# Allegro board Chronos.brd (continued)
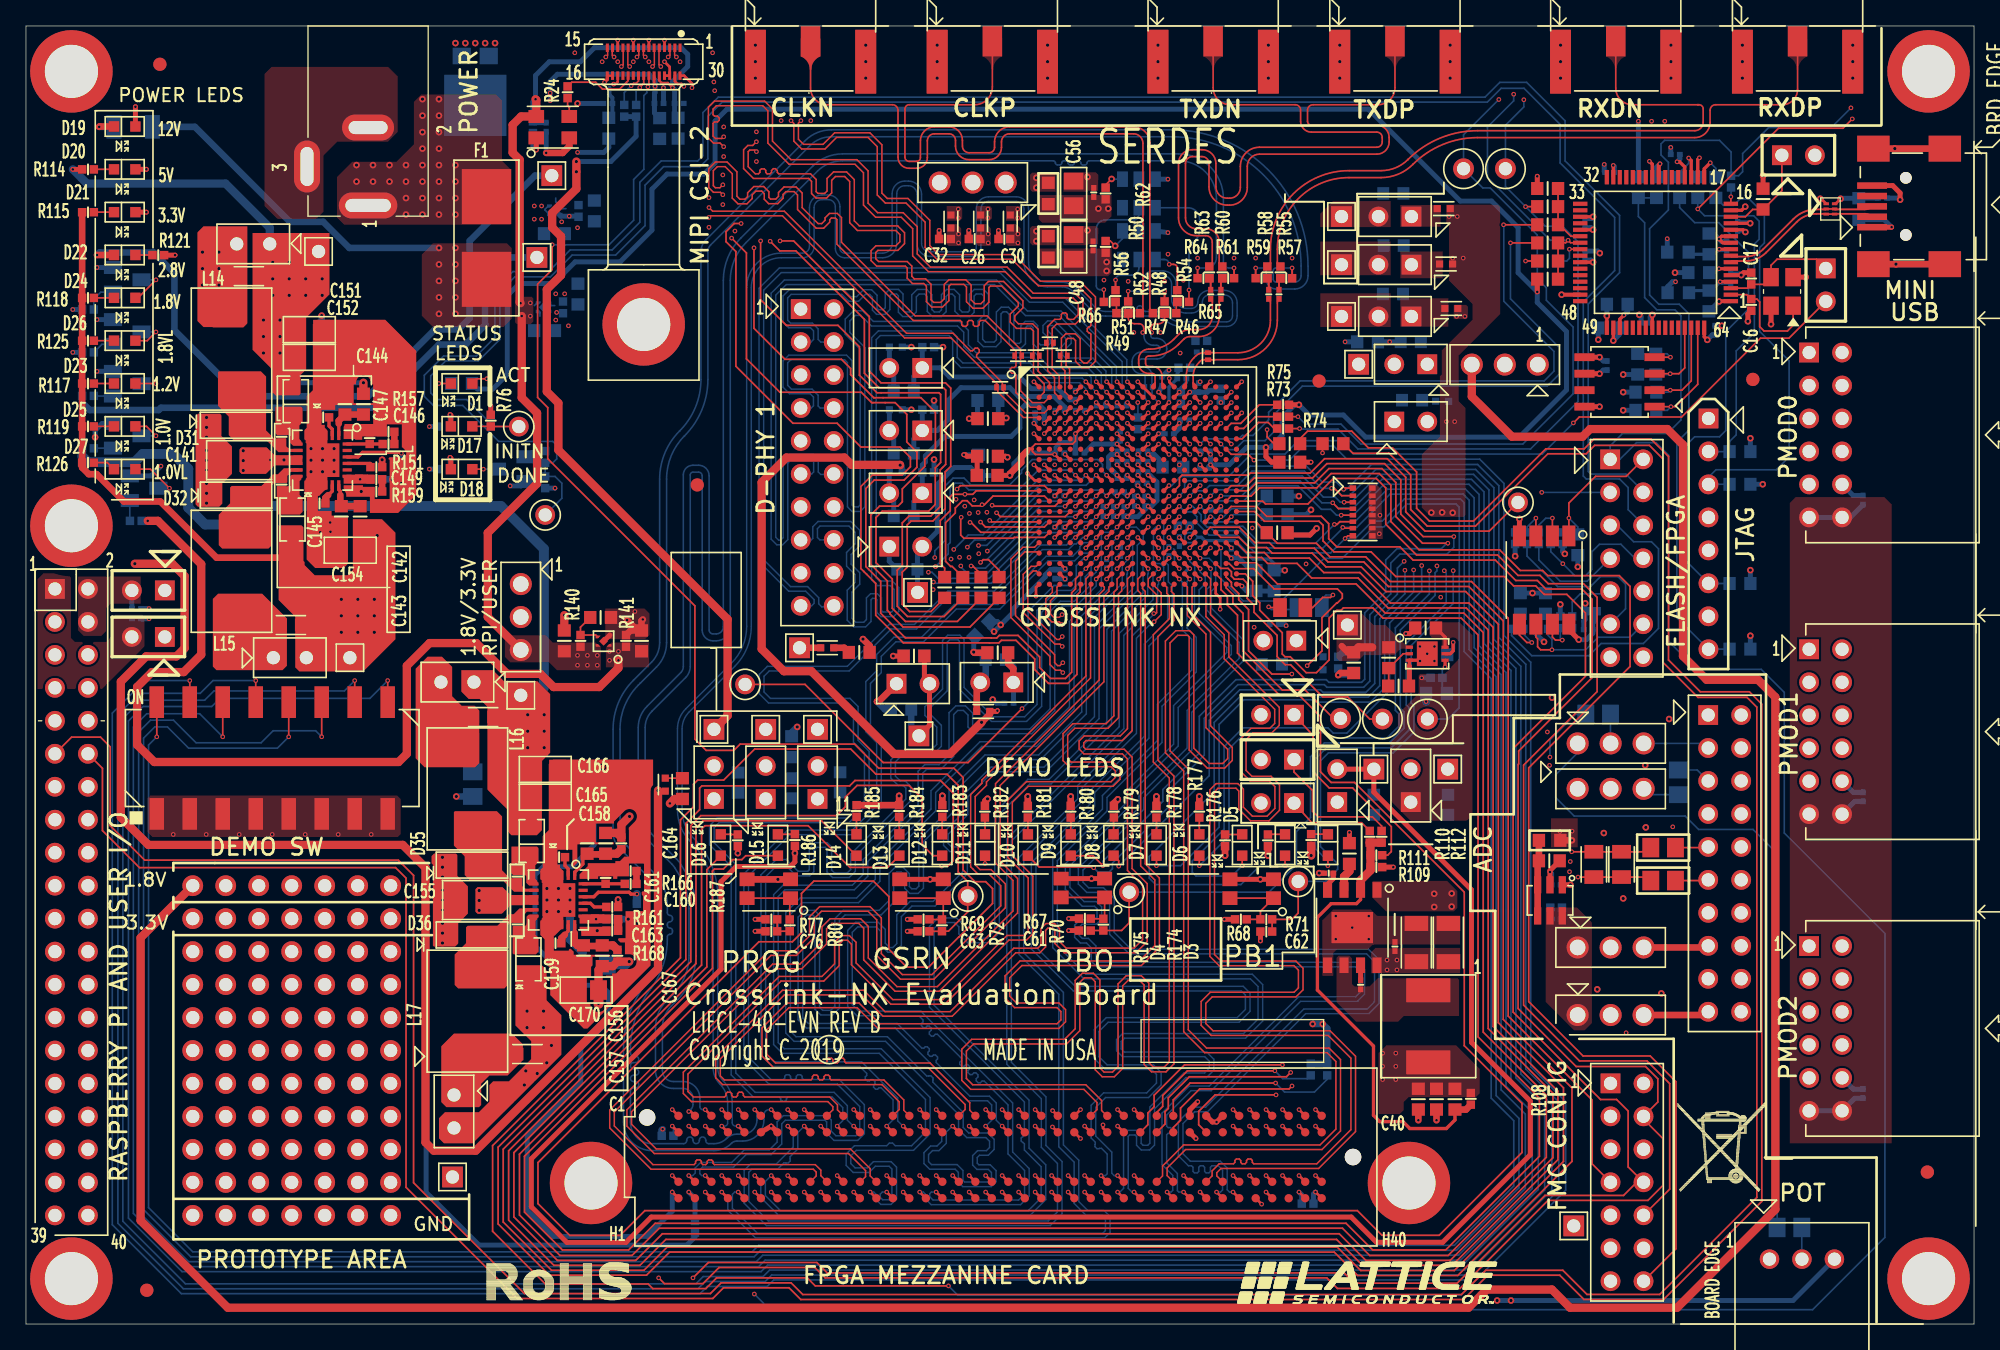
[diagram p0: board, top side]
## Routing (per net, layer and track width the routed paths; a pad name or vN(x,y) marks a point on that pad's centre or on a via; arc(x,y) is an arc through that point) (continued)
  BOTTOM w0.127: v1(106.85,58.09) 106.85,56.4 104.62,54.16 104.62,49.01 103.52,47.91 99.2,47.91 99.02,48.09 93.77,48.09 91.87,46.19 91.87,38.27 88.91,35.31 v1(87.05,35.31)
LED5: length 60.1
  TOP w0.127: D8.1 84.14,35.69 v1(84.14,35.28)
  TOP w0.203: U3.L15 v1(89.61,64.59)
  L04_SIG w0.127: v1(106.12,58.76) 106.05,58.83 106.05,58.86 104.79,60.12 104.79,61.17 104.49,61.47 102.49,61.47 101.97,60.95 100.52,60.95 99.65,61.82 98.19,61.82 96.21,63.8 95.67,63.8 95.32,64.16 93.7,64.16 93.66,64.2 90,64.2 v1(89.61,64.59)
  BOTTOM w0.127: v1(106.12,58.76) 105.6,58.24 105.6,56.22 103.86,54.48 103.86,49.35 103.18,48.67 99.86,48.67 99.67,48.86 93.46,48.86 91.11,46.51 91.11,42.24 v1(84.14,35.28)
LED6: length 67.5
  TOP w0.127: v1(82.92,35.32) 82.16,36.08 D9.1 ; v1(109.48,60.15) 107.53,60.15 105.48,62.21 105.48,64.83 104.41,65.9 100.33,65.9 99.23,64.8 94.73,64.8 94.13,64.19 U3.L20
  BOTTOM w0.127: v1(82.92,35.32) 82.92,35.65 87.54,40.27 87.54,41.18 90.35,43.98 90.35,46.82 93.16,49.64 100.12,49.64 100.33,49.44 102.85,49.44 103.08,49.67 103.08,54.79 104.7,56.4 104.7,58.86 105.57,59.73 108.98,59.73 109.41,60.15 v1(109.48,60.15)
LED7: length 74
  TOP w0.127: v1(82.21,35.15) 82.16,35.21 78.02,35.21 D10.1 ; U3.L19 92.8,64.58 93.98,64.58 94.57,65.18 99.07,65.18 100.17,66.28 104.61,66.28 105.86,65.03 105.86,62.39 107.59,60.66 v1(109.94,60.66)
  BOTTOM w0.127: v1(82.21,35.15) 82.54,34.82 83.4,34.82 83.66,35.08 83.66,35.5 84.11,35.96 84.11,35.96 87.94,39.79 87.94,41.04 90.73,43.83 90.73,46.67 93.32,49.26 99.97,49.26 100.17,49.05 103,49.05 103.47,49.53 103.47,54.64 105.09,56.25 105.09,58.62 105.78,59.32 109.42,59.32 109.94,59.84 v1(109.94,60.66)
LED8: length 229.8
  TOP w0.127: v1(70.51,35.28) 70.98,35.28 71.4,35.7 71.4,40.89 70.41,41.87 63.84,41.87 63.42,41.46 52.04,41.46 51.87,41.29 51.87,39.62 50.81,38.56 50.81,28.08 36.36,13.63 36.36,7.71 40.31,3.76 47.78,3.76 49.56,5.54 100.74,5.54 102.54,3.74 110.25,3.74 119.04,12.53 119.04,18.18 113.75,23.47 113.75,54.17 111.1,56.82 104.91,56.82 103.01,58.71 100.26,58.71 99.2,59.77 96.16,59.77 95.73,60.2 94.61,60.2 93.43,61.38 91.2,61.38 U3.R17 ; D11.1 v1(73.85,35.47)
  L04_SIG w0.127: v1(70.51,35.28) 73.65,35.28 v1(73.85,35.47)
LED9: length 218.2
  TOP w0.127: D12.1 69.85,36.08 69.01,36.92 69.01,40.48 68,41.49 63.99,41.49 63.1,40.59 63.1,39.85 62.41,39.17 51.96,39.17 51.19,38.39 51.19,27.91 36.75,13.47 36.75,7.86 40.46,4.14 47.58,4.14 49.36,5.92 100.98,5.92 102.78,4.12 109.98,4.12 118.39,12.53 118.39,18.2 113.37,23.22 113.37,53.92 110.86,56.43 104.72,56.43 102.82,58.33 100.1,58.33 99.04,59.39 95.96,59.39 95.53,59.82 94.19,59.82 93.41,60.6 92,60.6 U3.R18
LED10: length 203.8
  TOP w0.127: U3.U20 93.55,59.05 95.15,59.05 95.61,58.6 97.87,58.6 99,57.47 102.57,57.47 104.88,55.16 110.9,55.16 112.59,53.47 112.59,22.77 117.58,17.78 117.58,12.81 109.66,4.9 103.17,4.9 101.12,6.96 49,6.96 46.95,4.91 40.92,4.91 37.57,8.25 37.57,13.2 52.02,27.65 52.02,38.13 52.28,38.39 60.23,38.39 63.44,35.18 66.35,35.18 D13.1
LED11: length 202.7
  TOP w0.127: D14.1 61.26,38.77 52.12,38.77 51.59,38.24 51.59,27.77 37.17,13.35 37.17,8 40.64,4.52 47.28,4.52 49.27,6.52 100.92,6.52 102.92,4.52 109.82,4.52 117.96,12.66 117.96,17.94 112.97,22.93 112.97,53.68 111.11,55.54 105.06,55.54 102.71,57.89 99.93,57.89 98.82,59 95.78,59 95.35,59.44 93.97,59.44 U3.T20
LED12: length 192.5
  TOP w0.127: D15.1 55.42,36.08 55.12,35.78 54.42,35.78 53.7,35.05 53.01,35.05 52.86,34.9 52.86,27.4 38.38,12.92 38.38,8.62 41.3,5.71 46.4,5.71 48.46,7.76 101.64,7.76 103.69,5.71 109.32,5.71 116.53,12.92 116.53,17.4 111.81,22.12 111.81,53.09 110.52,54.38 104.5,54.38 103.71,55.17 101.45,55.17 101.26,54.98 100.94,54.98 100.34,54.39 100.34,51.16 99.36,50.18 98.57,50.18 97.35,51.41 96.94,51.41 96.74,51.61 96.74,53.26 95,54.99 95,55.57 94.46,56.11 94.46,57.22 93.89,57.79 U3.W20
LED13: length 183
  TOP w0.127: U3.V20 93.27,58.65 94.73,58.65 96.36,57.01 102.42,57.01 104.67,54.77 110.71,54.77 112.21,53.27 112.21,22.49 117.07,17.63 117.07,12.85 109.5,5.28 103.47,5.28 101.37,7.38 48.76,7.38 46.67,5.29 41.11,5.29 38,8.4 38,13.09 52.43,27.52 52.43,35.01 D16.1
MCSNO: length 35.2
  TOP w0.203: U3.E16 v1(90.41,69.39)
  L04_SIG w0.127: v1(116.71,64.07) 113.19,67.59 100.64,67.59 100.16,68.07 97.59,68.07 96.34,69.32 94.27,69.32 94.22,69.28 92.76,69.28 92.39,68.91 91.82,68.91 91.6,69.13 91.6,69.52 91.34,69.79 91.05,69.79 90.65,69.39 v1(90.41,69.39)
  BOTTOM w0.127: v1(116.71,64.07) 121.98,64.07 J20.3
OSCN: length 0.9
  TOP w0.122: R66.2 83.97,78.67 R49.2
OSCP: length 0.9
  TOP w0.122: R65.2 88.57,78.66 R46.2
PMOD0_1: length 84.9
  TOP w0.203: U3.D10 v1(84.81,70.19)
  L04_SIG w0.127: v1(84.81,70.19) 84.53,70.19 84.16,70.56 83.92,70.56 83.64,70.84 83.64,72.89 85.67,74.92 87.36,74.92 88.09,75.65 89.82,75.65 96.63,75.65 97.3,76.32 100.02,79.04 107.47,79.04 108.07,78.45 108.08,78.45 108.25,78.28 108.46,78.07 113.91,78.07 115.45,76.53 118.34,76.53 119.89,74.98 121.41,74.98 122.16,74.23 124.45,74.23 125,73.68 131.14,73.68 131.42,73.39 131.42,73.19 131.13,72.9 128.85,72.9 128.61,72.66 128.61,72.25 128.87,72 130.65,72 131.02,71.62 131.02,70.82 131.44,70.41 132.9,70.41 133.28,70.03 133.28,66.71 134.22,65.76 138.07,65.76 138.79,66.47 138.79,72.4 137.3,73.89 J17.1
PMOD0_2: length 84.9
  TOP w0.203: U3.D9 v1(84.01,70.19)
  L04_SIG w0.127: J17.2 137.3,71.48 137.09,71.27 136.89,71.27 136.74,71.12 136.74,70.94 136.9,70.77 137.76,70.77 138.38,70.15 138.38,66.7 137.85,66.17 134.41,66.17 133.78,66.79 133.78,70.65 133.55,70.89 131.92,70.89 131.57,71.23 131.57,71.69 131.71,71.83 134.55,71.83 134.69,71.97 134.69,72.15 134.54,72.3 132.62,72.3 132.17,72.75 132.17,73.53 131.65,74.06 125.23,74.06 124.68,74.61 122.32,74.61 121.57,75.36 120.05,75.36 118.44,76.97 115.55,76.97 114.07,78.45 108.62,78.45 107.64,79.43 99.86,79.43 96.92,76.48 96.92,76.48 96.47,76.03 89.66,76.03 87.84,76.03 87.51,75.7 85.28,75.7 84.86,75.28 84.86,74.65 83.27,73.06 82.99,73.06 82.83,72.89 82.83,70.76 83.03,70.56 83.36,70.56 83.73,70.19 v1(84.01,70.19)
PMOD0_3: length 84.9
  TOP w0.203: U3.D7 v1(82.41,70.19)
  L04_SIG w0.127: v1(82.41,70.19) 82.15,70.19 81.78,70.56 81.65,70.56 81.18,71.04 81.18,73.33 81.66,73.82 82.95,73.82 84.1,74.97 84.1,77 84.52,77.43 88.4,77.43 89.03,76.8 89.35,76.8 91.19,76.8 91.77,77.37 91.77,78.56 92.16,78.96 92.73,78.96 93.06,78.63 93.06,77.27 93.53,76.8 96.16,76.8 99.55,80.19 107.96,80.19 108.94,79.21 114.42,79.21 115.9,77.73 118.87,77.73 119.94,76.66 123.73,76.66 125.1,75.28 127.16,75.28 127.46,74.98 135.85,74.98 136.05,74.77 136.05,73.89 135.82,73.66 135.37,73.66 135.23,73.51 135.23,73.28 135.44,73.06 135.87,73.06 136.17,72.76 136.17,71.42 135.82,71.07 135.05,71.07 134.59,70.61 134.59,68.6 134.83,68.37 135.08,68.37 135.31,68.6 135.31,69.97 135.49,70.15 135.77,70.15 135.93,69.98 135.93,68.66 136.15,68.44 137.05,68.44 137.3,68.69 J17.3
PMOD0_4: length 84.9
  TOP w0.203: U3.D8 v1(83.21,70.19)
  L04_SIG w0.127: v1(83.21,70.19) 82.93,70.19 82.56,70.56 82.3,70.56 81.98,70.88 81.98,72.96 82.45,73.44 83.11,73.44 84.48,74.81 84.48,76.74 84.79,77.04 88.24,77.04 88.87,76.42 89.5,76.42 91.84,76.42 92.15,76.73 92.15,78.28 92.33,78.46 92.51,78.46 92.68,78.29 92.68,76.72 92.98,76.42 96.31,76.42 96.54,76.64 99.7,79.81 107.8,79.81 108.78,78.83 114.23,78.83 114.46,78.6 115.71,77.35 118.6,77.35 119.67,76.28 123.57,76.28 124.72,75.12 124.95,74.9 127,74.9 127.3,74.59 135.45,74.59 135.61,74.44 135.61,74.21 135.44,74.04 132.79,74.04 132.55,73.8 132.55,72.91 132.78,72.68 134.95,72.68 135.28,72.35 135.28,71.76 134.97,71.45 134.41,71.45 134.16,71.2 134.16,67.2 134.77,66.59 136.67,66.59 J17.4
PMOD0_7: length 84.9
  TOP w0.203: U3.D6 v1(81.61,69.39)
  L04_SIG w0.127: J17.7 139.84,73.83 139.46,73.44 138.84,73.44 138.45,73.84 138.45,75.67 138.09,76.02 136.49,76.02 135.83,75.36 127.75,75.36 127.44,75.66 125.23,75.66 123.91,76.99 120.86,76.99 119.74,78.11 118.07,78.11 117.84,78.34 117.84,79 117.69,79.15 117.48,79.15 117.33,79 117.33,78.24 117.2,78.11 117.03,78.11 116.88,78.26 116.88,78.89 116.75,79.02 116.5,79.02 116.37,78.9 116.37,78.26 116.23,78.12 116.05,78.12 115.81,78.37 115.81,79.39 115.6,79.59 109.1,79.59 108.12,80.57 99.31,80.57 95.92,77.18 93.71,77.18 93.44,77.45 93.44,79.02 93.06,79.4 91.88,79.4 91.39,78.91 91.39,77.53 91.04,77.18 89.19,77.18 88.56,77.81 84.35,77.81 83.72,77.17 83.72,75.96 83.39,75.62 82.32,75.62 82.06,75.36 82.06,75.07 82.29,74.84 82.87,74.84 83.06,74.65 83.06,74.47 82.84,74.24 80.79,74.24 79.92,73.37 79.92,71.36 80.72,70.56 80.96,70.56 81.24,70.28 81.24,69.76 v1(81.61,69.39)
PMOD0_8: length 84.9
  TOP w0.203: U3.D5 v1(80.81,69.39)
  L04_SIG w0.127: v1(80.81,69.39) 80.44,69.76 80.44,70.33 79.54,71.23 79.54,73.54 84.19,78.19 88.73,78.19 89.36,77.56 90.57,77.56 91.01,77.99 91.01,79.09 91.71,79.79 93.2,79.79 93.82,79.18 93.82,77.94 94.2,77.56 95.23,77.56 100.35,82.68 107.11,82.68 107.72,82.07 107.72,81.84 107.72,81.5 109.22,80.01 118.64,80.01 119.8,78.85 121.27,78.85 122.81,77.32 124.04,77.32 125.07,76.29 125.65,76.29 125.78,76.42 125.78,76.74 125.91,76.87 126.16,76.87 126.29,76.74 126.29,76.42 126.41,76.29 126.67,76.29 126.8,76.42 126.8,76.74 126.92,76.87 127.18,76.87 127.3,76.74 127.3,76.42 127.43,76.29 127.68,76.29 127.81,76.42 127.81,76.74 127.94,76.87 128.19,76.87 128.32,76.74 128.32,76.42 128.45,76.29 128.7,76.29 128.83,76.42 128.83,76.74 128.95,76.87 129.21,76.87 129.34,76.74 129.34,76.42 129.46,76.29 130.16,76.29 130.7,75.75 135.68,75.75 136.33,76.4 139.88,76.4 140.86,75.42 140.86,73.32 J17.8
PMOD0_9: length 84.9
  TOP w0.203: U3.D4 v1(80.01,69.39)
  L04_SIG w0.127: J17.9 139.84,70.72 141.25,72.13 141.25,75.6 140.07,76.78 136.18,76.78 135.53,76.13 132.09,76.13 130.78,77.44 126.2,77.44 123.25,80.39 109.37,80.39 108.1,81.66 108.1,82.23 107.27,83.06 100.13,83.06 95.37,78.3 94.6,78.3 94.2,78.7 94.2,79.69 93.65,80.24 91.6,80.24 90.62,79.26 90.62,78.19 90.37,77.94 89.52,77.94 88.89,78.57 84.01,78.57 79.16,73.71 79.16,70.92 79.64,70.43 79.64,69.76 v1(80.01,69.39)
PMOD0_10: length 84.9
  TOP w0.203: U3.D3 v1(79.21,69.39)
  L04_SIG w0.127: v1(79.21,69.39) 79.1,69.78 78.91,69.97 78.84,70.09 78.8,70.34 78.77,70.75 78.77,73.87 83.86,78.96 89.77,78.96 91.45,80.64 95.39,80.64 98.18,83.44 107.43,83.44 108.48,82.38 108.48,81.82 109.53,80.77 123.41,80.77 126.32,77.86 130.9,77.86 132.24,76.52 135.37,76.52 136.02,77.17 136.08,77.17 136.09,77.17 140.25,77.17 141.64,75.78 141.64,72.06 141.58,71.65 141.49,71.28 140.77,69.17 J17.10
PMOD1_1: length 181.2
  TOP w0.203: U3.E10 v1(84.81,69.39)
  L04_SIG w0.127: J18.1 136.19,51.98 135.78,51.58 135.78,40.98 136.37,40.38 141.84,40.38 144.78,43.33 144.78,77.33 142.41,79.7 142.41,81.62 138.97,85.05 136.31,85.05 134.21,87.15 132.97,87.15 131.84,88.27 123.01,88.27 122.63,88.66 122.63,89.89 122.03,90.48 109.86,90.48 108.5,91.84 68.93,91.84 66.06,88.97 66.06,83.37 74.41,75.03 74.41,69.58 75.18,68.81 75.18,68.46 76.61,67.03 78.62,67.03 79.05,66.6 81.86,66.6 83.6,68.34 83.6,68.72 83.62,68.73 83.62,68.76 83.86,69 84.42,69 v1(84.81,69.39)
PMOD1_2: length 181.2
  TOP w0.203: U3.E9 v1(84.01,69.39)
  L04_SIG w0.127: v1(84.01,69.39) 83.77,69.39 83.37,69 83.06,69 82.82,68.76 82.82,68.3 81.92,67.41 76.77,67.41 75.59,68.59 75.59,68.98 74.79,69.78 74.79,75.22 66.47,83.54 66.47,88.84 69.09,91.46 108.19,91.46 108.38,91.27 108.38,90.39 108.67,90.09 114.68,90.09 114.99,89.79 114.99,87.18 115.19,86.98 115.46,86.98 115.63,87.16 115.63,89.79 115.94,90.1 119.51,90.1 119.77,89.84 119.77,88.17 120.1,87.83 131.52,87.83 132.83,86.53 133.57,86.53 134.69,85.4 134.91,85.18 134.91,85.18 135.36,84.73 135.42,84.67 138.82,84.67 142.03,81.46 142.03,79.54 144.37,77.2 144.37,43.48 141.69,40.8 136.64,40.8 136.18,41.26 136.18,49.75 136.47,50.03 137.08,50.03 137.3,49.82 J18.2
PMOD1_3: length 181.2
  TOP w0.203: U3.E7 v1(82.41,69.39)
  L04_SIG w0.127: v1(82.41,69.39) 82.33,69.32 82.11,69.32 81.78,68.99 79.04,68.99 78.8,69.23 78.8,69.59 78.39,70 78.39,74.34 82.28,78.23 82.28,78.43 82.87,79.02 83.34,79.02 84.45,80.12 84.45,80.6 84.7,80.85 90.39,80.85 93.36,83.82 107.71,83.82 108.86,82.66 108.86,81.98 109.69,81.15 126.21,81.15 126.8,81.74 127.83,81.74 130.05,79.52 131.23,79.52 133.2,77.55 140.5,77.55 142.09,75.96 142.09,68.29 141.79,67.99 141.4,67.99 141.04,67.64 141.04,65.33 141.31,65.05 141.74,65.05 141.99,64.81 141.99,63.93 141.69,63.64 136.81,63.64 136.59,63.85 134.85,63.85 134.21,63.21 134.21,61.48 134.65,61.03 141.54,61.03 141.78,60.79 141.78,60.21 141.57,60 134.89,60 134.16,59.27 134.16,57.39 134.71,56.84 141.31,56.84 141.56,56.59 141.56,56.21 141.33,55.98 134.7,55.98 134.16,55.44 134.16,38.88 134.52,38.53 135.02,38.53 135.38,38.88 135.38,52.95 135.66,53.24 138.04,53.24 138.33,52.95 138.33,47.93 J18.3
PMOD1_4: length 181.2
  TOP w0.203: U3.E8 v1(83.21,69.39)
  L04_SIG w0.127: v1(83.21,69.39) 82.93,69.39 82.8,69.27 82.8,69.23 82.57,69 82.54,69 82.52,68.99 82.25,68.99 82.02,68.76 82.02,68.29 81.51,67.79 76.95,67.79 76,68.74 76,74.57 66.86,83.71 66.86,88.6 69.32,91.07 106.97,91.07 110.16,87.88 111.67,87.88 111.97,88.18 111.97,89.48 112.19,89.7 112.52,89.7 112.76,89.46 112.76,86.9 113.08,86.58 113.61,86.58 113.76,86.74 113.76,87.55 113.95,87.74 114.3,87.74 114.5,87.53 114.5,86.74 114.66,86.58 116.54,86.58 116.84,86.89 116.84,89.47 117.06,89.69 117.89,89.69 118.09,89.49 118.09,86.74 118.23,86.61 118.47,86.61 118.6,86.74 118.6,89.47 118.81,89.68 119.18,89.68 119.39,89.47 119.39,87.11 119.91,86.58 120.92,86.58 121.15,86.81 121.15,87.28 121.34,87.47 123.16,87.47 123.36,87.28 123.36,86.75 123.52,86.58 124.8,86.58 125.02,86.8 125.02,87.29 125.23,87.5 126.79,87.5 127.02,87.26 127.02,86.84 127.28,86.58 128.91,86.58 129.14,86.82 129.14,87.22 129.35,87.42 130.4,87.42 130.68,87.14 130.68,85.99 131.03,85.64 133.92,85.64 134.31,85.25 134.53,85.02 135.26,84.29 138.66,84.29 141.64,81.3 141.64,79.39 143.99,77.04 143.99,43.66 143.16,42.83 137.42,42.83 136.94,43.31 136.94,44 J18.4
PMOD1_7: length 181.2
  TOP w0.203: U3.E4 v1(80.01,68.59)
  L04_SIG w0.127: J18.7 139.84,52.99 139.54,53.29 139.01,53.29 138.73,53.01 138.73,43.74 139.26,43.21 142.97,43.21 143.56,43.8 143.56,44.47 143.28,44.75 141.75,44.75 141.52,44.98 141.52,45.36 141.7,45.54 143.32,45.54 143.61,45.83 143.61,76.88 141.26,79.23 141.26,81.15 138.5,83.91 134.92,83.91 133.58,85.24 128.69,85.24 127.73,86.2 116.27,86.2 115.67,85.6 113.38,85.6 111.65,87.33 110.17,87.33 106.83,90.67 69.5,90.67 67.26,88.43 67.26,83.9 70.78,80.38 70.85,80.38 70.85,80.38 71.93,80.38 72.17,80.14 72.17,78.99 72.91,78.25 73.48,78.25 73.84,78.62 73.84,80.13 74.06,80.34 74.29,80.34 74.46,80.17 74.46,76.78 74.88,76.37 75.5,76.37 75.87,76.74 75.87,80.09 76.06,80.28 76.45,80.28 76.64,80.08 76.64,79.45 76.91,79.18 77.25,79.18 77.41,79.02 77.41,78.69 77.24,78.52 76.8,78.52 76.44,78.16 76.44,68.86 77.13,68.17 79.59,68.17 v1(80.01,68.59)
PMOD1_8: length 181.2
  TOP w0.203: U3.E3 v1(79.21,68.59)
  L04_SIG w0.127: v1(79.21,68.59) 78.97,68.59 78.57,68.99 78.25,68.99 78.01,69.23 78.01,76.37 78.84,77.2 80.62,77.2 81.64,78.22 81.64,79.92 81.18,80.38 78.24,80.38 77.02,81.6 71.29,81.6 68.49,84.39 68.49,87.94 70.05,89.5 106.39,89.5 109.7,86.19 110.85,86.19 112.75,84.29 112.75,83.21 113.63,82.33 119.54,82.33 121.29,84.08 130.57,84.08 131.9,82.75 135.73,82.75 137.79,80.7 137.79,80.31 138.26,79.85 138.98,79.85 142.47,76.36 142.47,68.08 141.44,67.05 141.44,66.07 142.47,65.04 142.47,60.08 141.86,59.47 135.16,59.47 134.55,58.86 134.55,57.98 135.16,57.37 141.88,57.37 142.47,56.78 142.47,55.9 142.11,55.54 134.95,55.54 134.55,55.14 134.55,54.06 134.94,53.67 140.71,53.67 140.98,53.41 140.98,52.22 141.21,51.98 141.52,51.98 141.77,52.23 141.77,53.54 141.9,53.66 142.34,53.66 142.47,53.54 142.47,48.58 141.98,48.09 140.16,48.09 139.84,48.41 J18.8
PMOD1_9: length 181.2
  TOP w0.203: U3.E2 v1(78.41,68.59)
  L04_SIG w0.127: J18.9 139.84,46.66 140.08,46.42 142.53,46.42 142.85,46.74 142.85,53.72 142.51,54.05 135.32,54.05 135.03,54.34 135.03,54.85 135.29,55.11 142.51,55.11 142.85,55.45 142.85,57.37 142.47,57.75 135.41,57.75 135.06,58.1 135.06,58.7 135.45,59.09 142.42,59.09 142.85,59.52 142.85,65.35 141.87,66.33 141.87,66.85 142.85,67.83 142.85,76.53 140.5,78.88 140.5,80.83 138.19,83.15 131.97,83.15 130.65,84.47 121.49,84.47 121.15,84.81 120.54,84.81 119.7,83.97 113.69,83.97 111.08,86.57 109.85,86.57 106.54,89.88 69.88,89.88 68.07,88.08 68.07,84.25 71.19,81.14 76.91,81.14 78.11,79.94 80.76,79.94 81.16,79.54 81.16,78.3 80.61,77.76 77.64,77.76 77.2,77.32 77.2,69.22 77.42,69 77.76,69 78.17,68.59 v1(78.41,68.59)
PMOD1_10: length 181.2
  TOP w0.203: U3.F1 v1(77.61,68.59)
  L04_SIG w0.127: J18.10 139.84,43.99 140.23,43.6 142.81,43.6 143.02,43.81 143.02,44.12 142.77,44.37 141.45,44.37 141.14,44.68 141.14,45.62 141.44,45.92 142.86,45.92 143.23,46.29 143.23,76.72 140.88,79.07 140.88,80.99 138.34,83.53 132.09,83.53 130.76,84.86 127.56,84.86 127.43,84.99 127.43,85.32 127.29,85.47 127.05,85.47 126.93,85.34 126.93,84.99 126.8,84.86 126.54,84.86 126.42,84.99 126.42,85.32 126.27,85.47 126.04,85.47 125.91,85.34 125.91,84.99 125.78,84.86 125.53,84.86 125.4,84.99 125.4,85.32 125.26,85.47 125.02,85.47 124.89,85.34 124.89,84.99 124.77,84.86 124.51,84.86 124.39,84.99 124.39,85.32 124.24,85.47 124,85.47 123.88,85.34 123.88,84.99 123.75,84.86 123.5,84.86 123.37,84.99 123.37,85.32 123.22,85.47 122.99,85.47 122.86,85.34 122.86,84.99 122.73,84.86 122.11,84.86 121.8,85.18 121.8,85.58 121.58,85.8 120.26,85.8 119.92,85.46 119.92,84.65 119.62,84.35 118.59,84.35 118.46,84.47 118.46,85.25 118.32,85.39 118.08,85.39 117.96,85.27 117.96,84.47 117.83,84.35 117.58,84.35 117.45,84.47 117.45,85.03 117.32,85.15 117.07,85.15 116.94,85.03 116.94,84.47 116.81,84.35 116.56,84.35 116.43,84.47 116.43,85.03 116.31,85.15 116.05,85.15 115.92,85.03 115.92,84.47 115.8,84.35 115.54,84.35 115.42,84.47 115.42,85.03 115.29,85.15 115.03,85.15 114.91,85.03 114.91,84.47 114.78,84.35 114.49,84.35 114.26,84.58 114.26,84.94 114.06,85.13 113.2,85.13 111.38,86.95 110.01,86.95 106.68,90.28 69.7,90.28 67.65,88.23 67.65,84.11 71.01,80.76 72.43,80.76 72.64,80.54 72.64,79.07 73.03,78.68 73.26,78.68 73.46,78.89 73.46,80.48 73.74,80.76 74.63,80.76 74.84,80.55 74.84,76.94 75.04,76.75 75.35,76.75 75.49,76.89 75.49,80.5 75.69,80.69 76.79,80.69 77.03,80.46 77.03,79.77 77.24,79.56 80.43,79.56 80.66,79.33 80.66,78.45 80.35,78.14 77.39,78.14 76.82,77.57 76.82,69.38 76.82,69.38 76.82,69.38 76.82,69.04 77.27,68.59 v1(77.61,68.59)
PMOD2_1: length 186.2
  TOP w0.203: U3.J2 v1(78.41,66.19)
  L04_SIG w0.127: v1(78.41,66.19) 77.06,64.85 75.56,64.85 75.14,65.27 75.14,65.37 74.13,66.38 74.13,67.35 73.65,67.83 73.65,68.17 72.67,69.15 72.49,69.15 72.06,69.58 72.06,75.06 64.46,82.67 64.46,89.59 68.26,93.4 109.43,93.4 110.79,92.04 122.64,92.04 123.24,91.45 132.08,91.45 134.81,88.72 141.81,88.72 143.81,86.71 143.81,86.29 144.17,85.93 145.54,85.93 146.36,85.11 146.36,41.79 141.96,37.39 141.96,36.02 141.64,35.7 140.68,35.7 140.36,35.38 140.36,34.77 140.67,34.46 141.59,34.46 141.96,34.09 141.96,33.1 141.6,32.74 137.1,32.74 136.35,32 136.35,30.07 J19.1
PMOD2_2: length 186.2
  TOP w0.203: U3.J1 v1(77.61,66.19)
  L04_SIG w0.127: v1(77.61,66.19) 77.56,66.24 76.56,66.24 76.56,66.25 76.29,66.25 76.26,66.28 75.37,66.28 74.93,66.71 74.93,67.63 74.42,68.14 74.42,68.5 73.65,69.27 73.65,74.67 65.27,83.05 65.27,89.31 68.57,92.61 109.08,92.61 110.43,91.26 122.35,91.26 122.96,90.64 125.16,90.64 126.77,89.04 132.35,89.04 133.48,87.91 141.52,87.91 142.97,86.46 142.97,84.17 143.17,83.97 143.17,80.02 145.56,77.62 145.56,42.59 139.95,36.98 135.78,36.98 134.5,35.7 134.5,24.87 135,24.37 135.8,24.37 136.22,24.78 136.22,26.26 136.54,26.58 J19.2
PMOD2_3: length 186.2
  TOP w0.203: U3.K2 v1(78.41,65.39)
  L04_SIG w0.127: J19.3 136.25,24.04 136,23.79 136,22.57 135.52,22.09 134.54,22.09 134.12,22.52 134.12,36.2 135.52,37.6 139.93,37.6 145.18,42.85 145.18,77.47 142.79,79.86 142.79,81.78 139.13,85.43 138.82,85.43 138.82,85.43 137.12,85.43 135.02,87.53 133.32,87.53 132.2,88.66 125.28,88.66 123.78,90.15 122.91,90.15 122.2,90.86 111.43,90.86 111.43,90.87 110.17,90.87 108.81,92.23 68.77,92.23 65.67,89.14 65.67,83.21 74.03,74.86 74.03,69.42 74.8,68.65 74.8,68.3 75.45,67.65 75.45,67.63 76.45,66.63 78.55,66.63 78.82,66.36 78.82,65.8 v1(78.41,65.39)
PMOD2_4: length 186.2
  TOP w0.203: U3.K1 77.65,64.99 v1(77.11,65.53)
  L04_SIG w0.127: v1(77.11,65.53) 76.1,65.9 75.15,65.9 74.51,66.54 74.51,67.51 74.04,67.99 74.04,68.34 73.27,69.11 73.27,74.49 64.86,82.89 64.86,89.45 68.42,93.01 109.25,93.01 110.61,91.64 122.5,91.64 123.08,91.06 126.73,91.06 127.13,91 133.97,89.02 134.65,88.34 141.63,88.34 143.42,86.55 143.42,86.15 144.01,85.55 145.13,85.55 145.96,84.72 145.96,42.33 135.91,32.28 135.91,28.43 136.56,27.78 137.57,27.78 138.48,26.87 138.48,23.54 137.3,22.35 J19.4
PMOD2_7: length 186.2
  TOP w0.203: U3.K3 v1(79.21,65.39)
  L04_SIG w0.127: J19.7 140.07,29.35 140.07,30.37 139.57,30.87 138.37,30.87 138.02,31.22 138.02,31.94 138.36,32.28 141.71,32.28 142.34,32.91 142.34,36.79 146.75,41.2 146.75,85.27 144.9,87.11 143.95,87.11 140.01,91.06 133.01,91.06 132.24,91.83 123.43,91.83 122.84,92.43 111,92.43 109.64,93.78 68.03,93.78 64.04,89.79 64.04,82.53 71.68,74.89 71.68,69.42 72.33,68.77 72.51,68.77 73.27,68.01 73.27,67.67 73.75,67.19 73.75,66.22 74.76,65.21 74.76,65.1 75.39,64.46 78.04,64.46 78.97,65.39 v1(79.21,65.39)
PMOD2_8: length 186.2
  TOP w0.203: U3.K4 v1(80.01,65.39)
  L04_SIG w0.127: v1(80.01,65.39) 79.77,65.39 79.35,64.97 79.16,64.97 78.27,64.08 75.23,64.08 74.38,64.93 74.38,65.06 73.37,66.07 73.37,67.04 72.89,67.51 72.89,67.67 71.3,69.26 71.3,73.7 63.6,81.4 63.6,89.92 67.85,94.17 109.98,94.17 111.34,92.81 123.02,92.81 123.62,92.21 132.4,92.21 133.17,91.44 140.17,91.44 144.11,87.49 145.24,87.49 147.17,85.57 147.17,41.32 147.08,40.87 146.7,39.85 J19.8
PMOD2_9: length 186.2
  TOP w0.203: U3.D17 v1(91.21,70.19)
  L04_SIG w0.127: v1(91.21,70.19) 92.25,70.19 92.65,70.59 96.22,70.59 97.36,69.44 100.23,69.44 101.32,68.35 114,68.35 117.98,64.37 117.98,60.43 117.42,59.87 117.42,58.72 118.9,57.25 120.32,57.25 120.97,56.6 120.97,53.32 121.39,52.91 125.22,52.91 126.46,54.15 126.46,67.01 128.11,68.66 131.06,68.66 132.59,67.13 132.59,64.8 133.73,63.65 133.73,22.07 135.65,20.15 135.65,16.48 136.93,15.2 146.16,15.2 148.26,17.31 148.26,34.57 147.62,35.21 146.53,35.21 145.99,34.68 145.99,18.66 145.13,17.79 139.2,17.79 138.73,18.26 138.73,22.94 J19.9
PMOD2_10: length 186.2
  TOP w0.203: U3.E18 v1(92.01,69.39)
  L04_SIG w0.127: J19.10 141.56,21.5 141.93,21.87 141.93,25.37 142.29,25.74 142.95,25.74 143.37,25.31 143.37,21.99 143.86,21.5 144.28,21.5 145.27,22.49 145.27,35.6 145.9,36.23 148.09,36.23 148.85,35.47 148.85,16.77 146.59,14.52 136.43,14.52 135,15.94 135,19.97 133.35,21.62 133.35,63.5 132.16,64.69 132.16,67.01 130.9,68.27 128.33,68.27 126.92,66.86 126.92,53.21 126.23,52.52 121.24,52.52 120.58,53.18 120.58,56.45 120.16,56.87 118.74,56.87 116.89,58.73 116.89,62.35 117.6,63.06 117.6,64.21 113.84,67.97 100.8,67.97 100.32,68.45 97.74,68.45 96.37,69.82 94.23,69.82 94.06,69.66 93.7,69.66 93.69,69.66 92.27,69.66 v1(92.01,69.39)
PROGRAMN: length 288.3
  TOP w0.203: U3.E11 v1(86.41,69.39)
  TOP w0.381: R77.1 v1(56.14,31.18)
  L04_SIG w0.127: J20.1 120.61,67.98 120.61,72.25 117.47,75.39 106.32,75.39 105.59,76.12 101.22,76.12 99.83,74.73 99.61,74.51 97.1,74.51 96.79,74.51 96.16,74.51 90.29,74.51 89.9,74.51 89.67,74.28 89.67,73.94 88.42,72.69 88.42,72.39 87.8,71.77 87.72,71.77 87.31,71.36 87.06,71.36 86.81,71.12 86.81,69.8 v1(86.41,69.39) ; v1(56.14,31.18) 53.43,31.18 52.45,30.19 46.05,30.19 43.59,27.73 43.59,18.11 44.47,17.23 49.71,17.23 50.42,16.52 50.42,11.44 51.62,10.24 51.62,6.78 v1(56.08,2.31)
  BOTTOM w0.127: v1(56.08,2.31) 57.29,1.1 137.57,1.1 143.14,6.67 143.14,30.08 135.39,37.83 135.39,48.66 133.61,50.44 128.65,50.44 126.49,52.6 126.49,66.93 125.52,67.9 124.01,67.9 122.73,66.61 J20.1 121.98,67.65 122.94,68.61 126.39,68.61 127.43,69.65 127.43,77.67 126.97,78.13 125.58,78.13 124.64,79.07 124.64,84.84 124.16,85.32 R172.2 R173.2
PS_POR_B: length 183.7
  TOP w0.127: U3.N19 92.8,62.98 94.77,62.98 95.53,62.22 99.74,62.22 100.31,61.66 100.31,60.5 100.94,59.87 105.8,59.87 106.81,58.85 113.14,58.85 114.72,57.28 116.37,57.28 117.03,56.62 119.8,56.62 120.6,55.83 120.6,49.8 114.94,44.15 114.94,43.15 114.89,43.1 114.89,24.31 119.36,19.84 124.71,19.84 125.65,18.89 125.65,17.1 J27.4 124.55,15.78 126.06,14.27 126.06,10.69 124.89,9.53 117.2,9.53 110.42,2.74 100.98,2.74 100.16,3.56 61.54,3.56 60.74,4.36 53.37,4.36 52.12,3.11 49.16,3.11 v1(48.72,3.56)
  TOP w0.203: U9.D1 v1(49.76,15.25)
  L04_SIG w0.127: v1(48.72,3.56) 48.72,13.59 49.76,14.64 v1(49.76,15.25)
  BOTTOM w0.127: v1(49.76,15.25) 49.85,15.16 R100.1
PUSHBUTTON0: length 75.3
  TOP w0.127: C61.1 R70.1 84.37,30.32 84.94,30.9 TP6.1
  TOP w0.203: U3.G14 v1(88.81,66.99)
  L04_SIG w0.127: v1(108.64,58.4) 108.64,58.74 106.32,61.07 106.32,62.87 104.38,64.8 98.13,64.8 97.61,65.33 96.3,65.33 95.9,65.73 89.85,65.73 88.81,66.77 v1(88.81,66.99)
  BOTTOM w0.127: v1(108.64,58.4) 108.64,58.02 108.5,57.88 108.5,56.13 105.82,53.46 105.82,47.43 106.11,47.15 106.11,45.91 104.96,44.77 99.98,44.77 98.91,43.7 98.91,39.02 97.83,37.94 97.83,35.39 95.71,33.27 TP6.1
